# Altium PCB VESC_DEVICE_75100.PcbDoc (part 1 of 3)
Units mm, origin at the board's own origin, x right, y up, seen from the top; angles counter-clockwise.
Board outline 72 x 52 mm, 4 copper layers (TOP, LAYER_1, LAYER_2, BOTTOM), stack 1.578 mm thick; 217 components, 137 nets, 680 pads, 885 vias.
Unrouted connection lines stored in the file: 1.
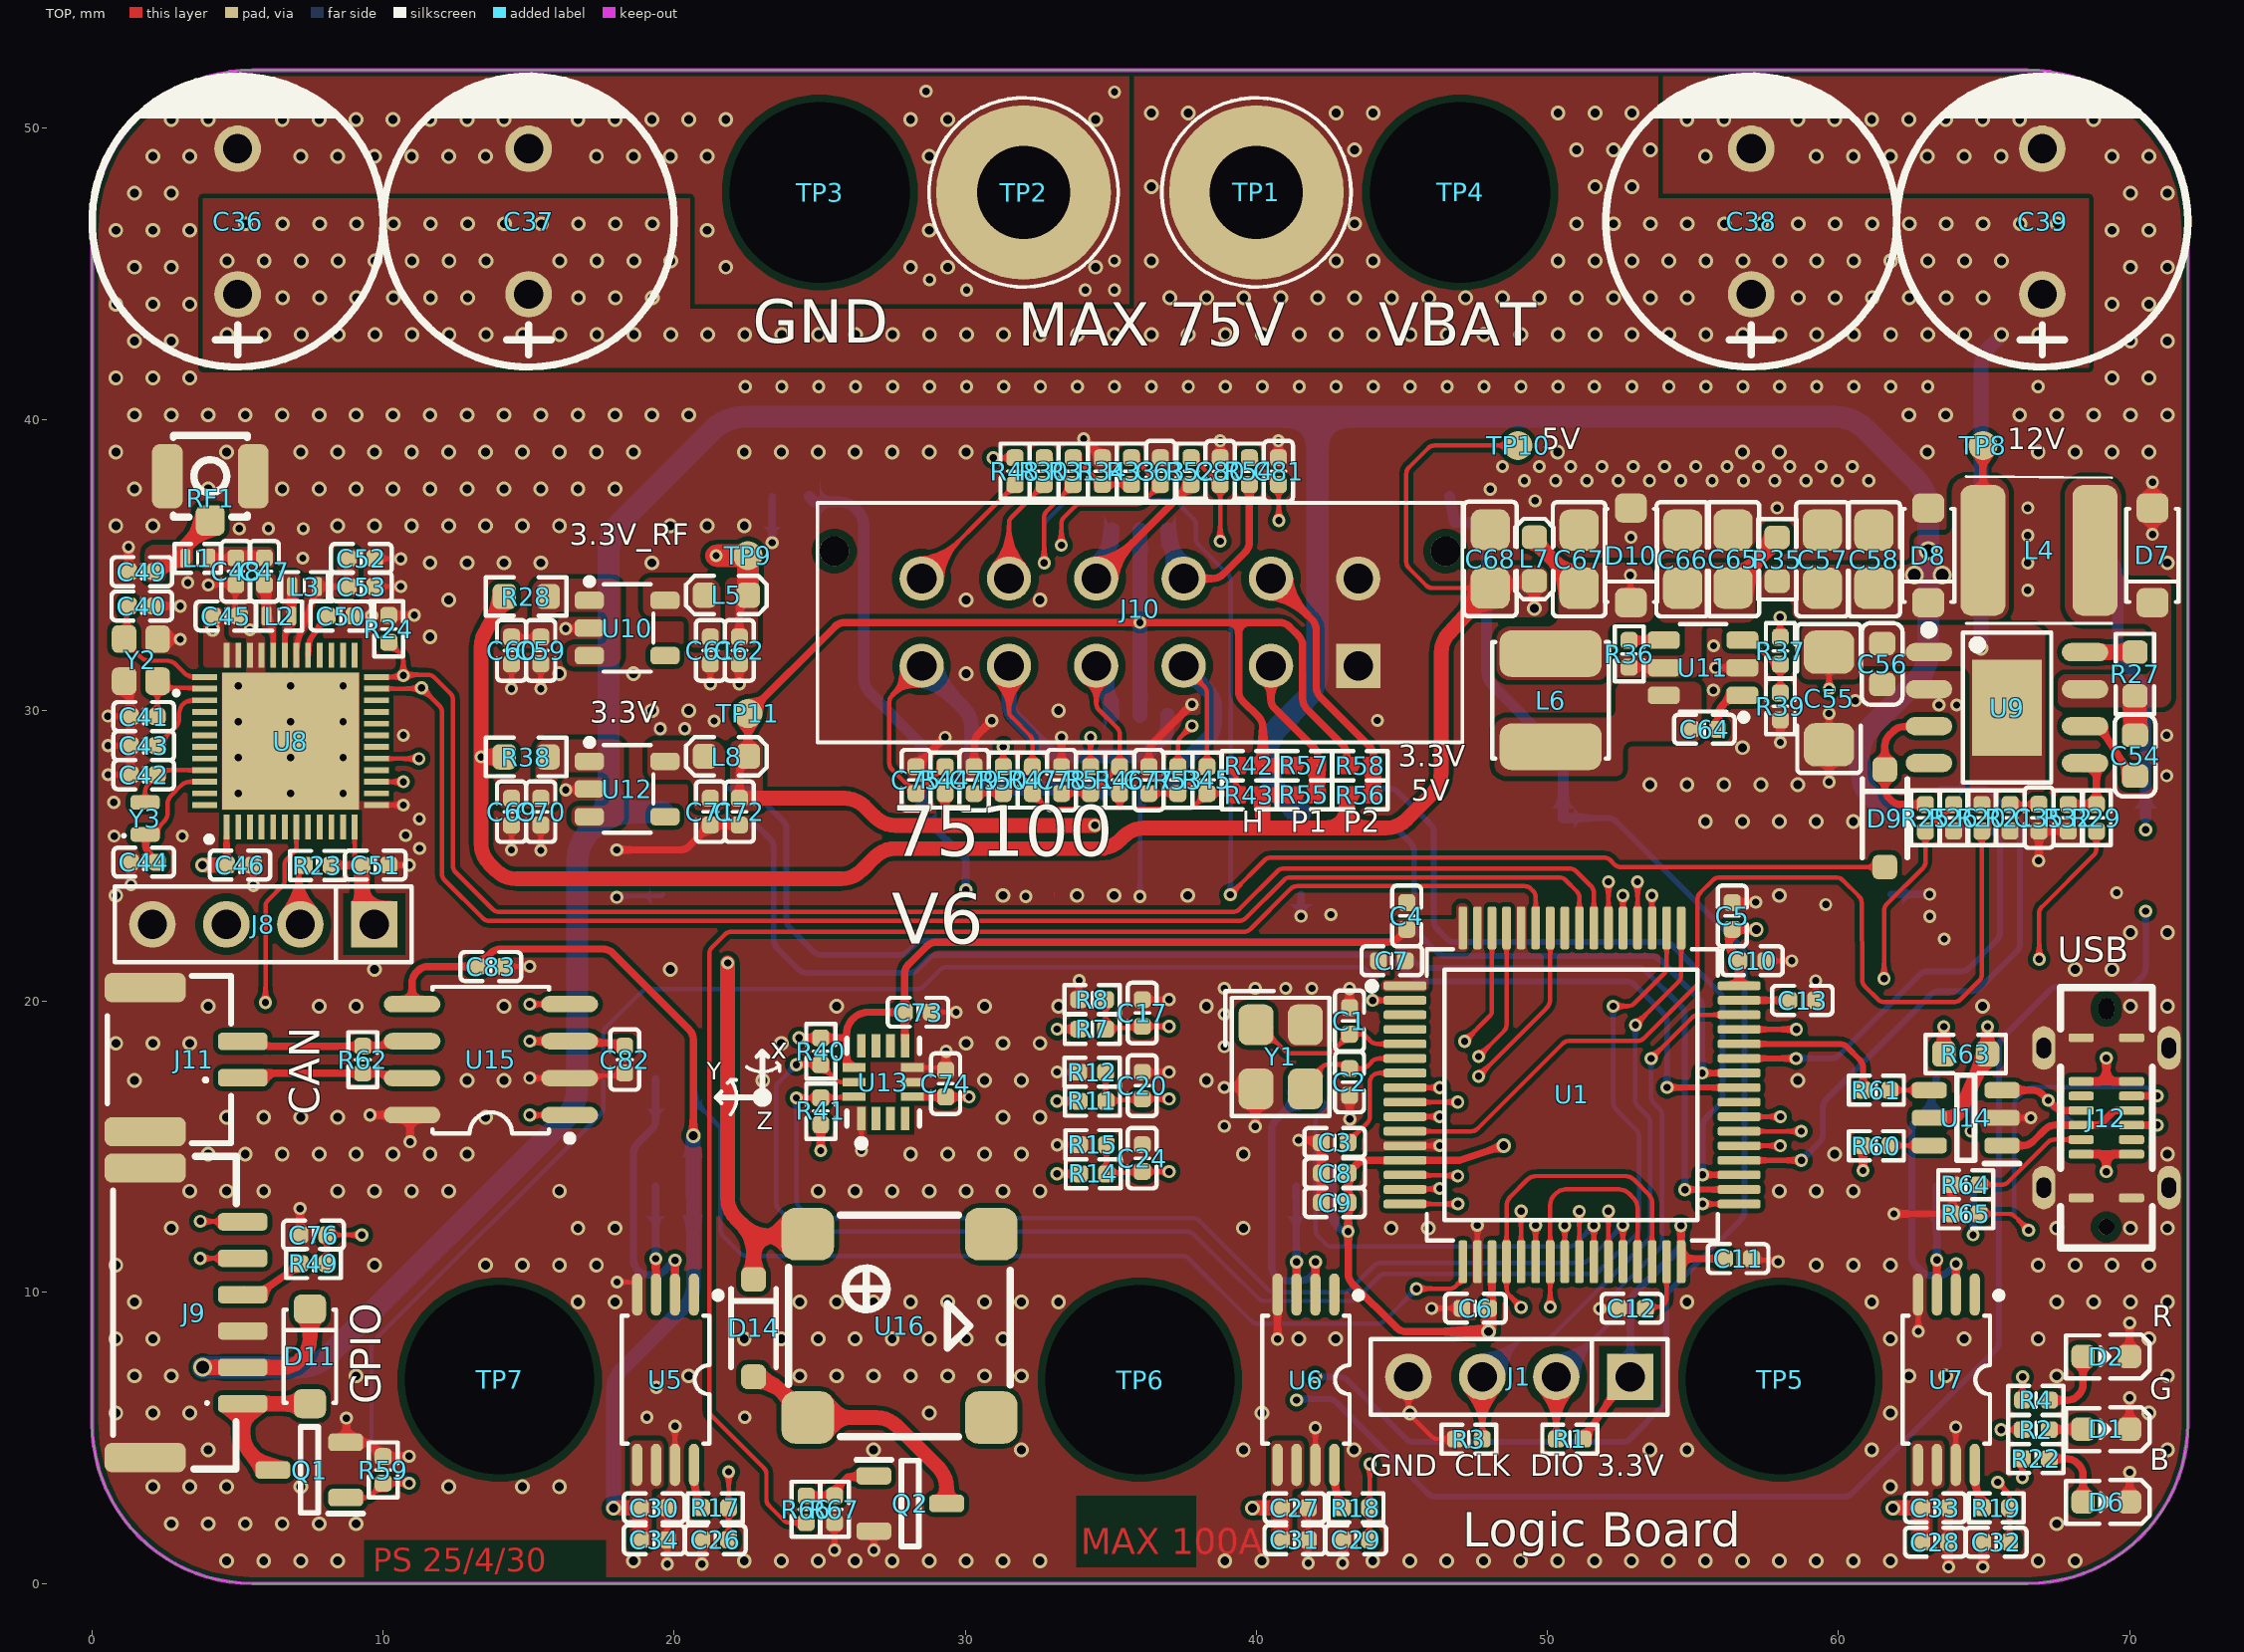
[diagram p0: TOP view]
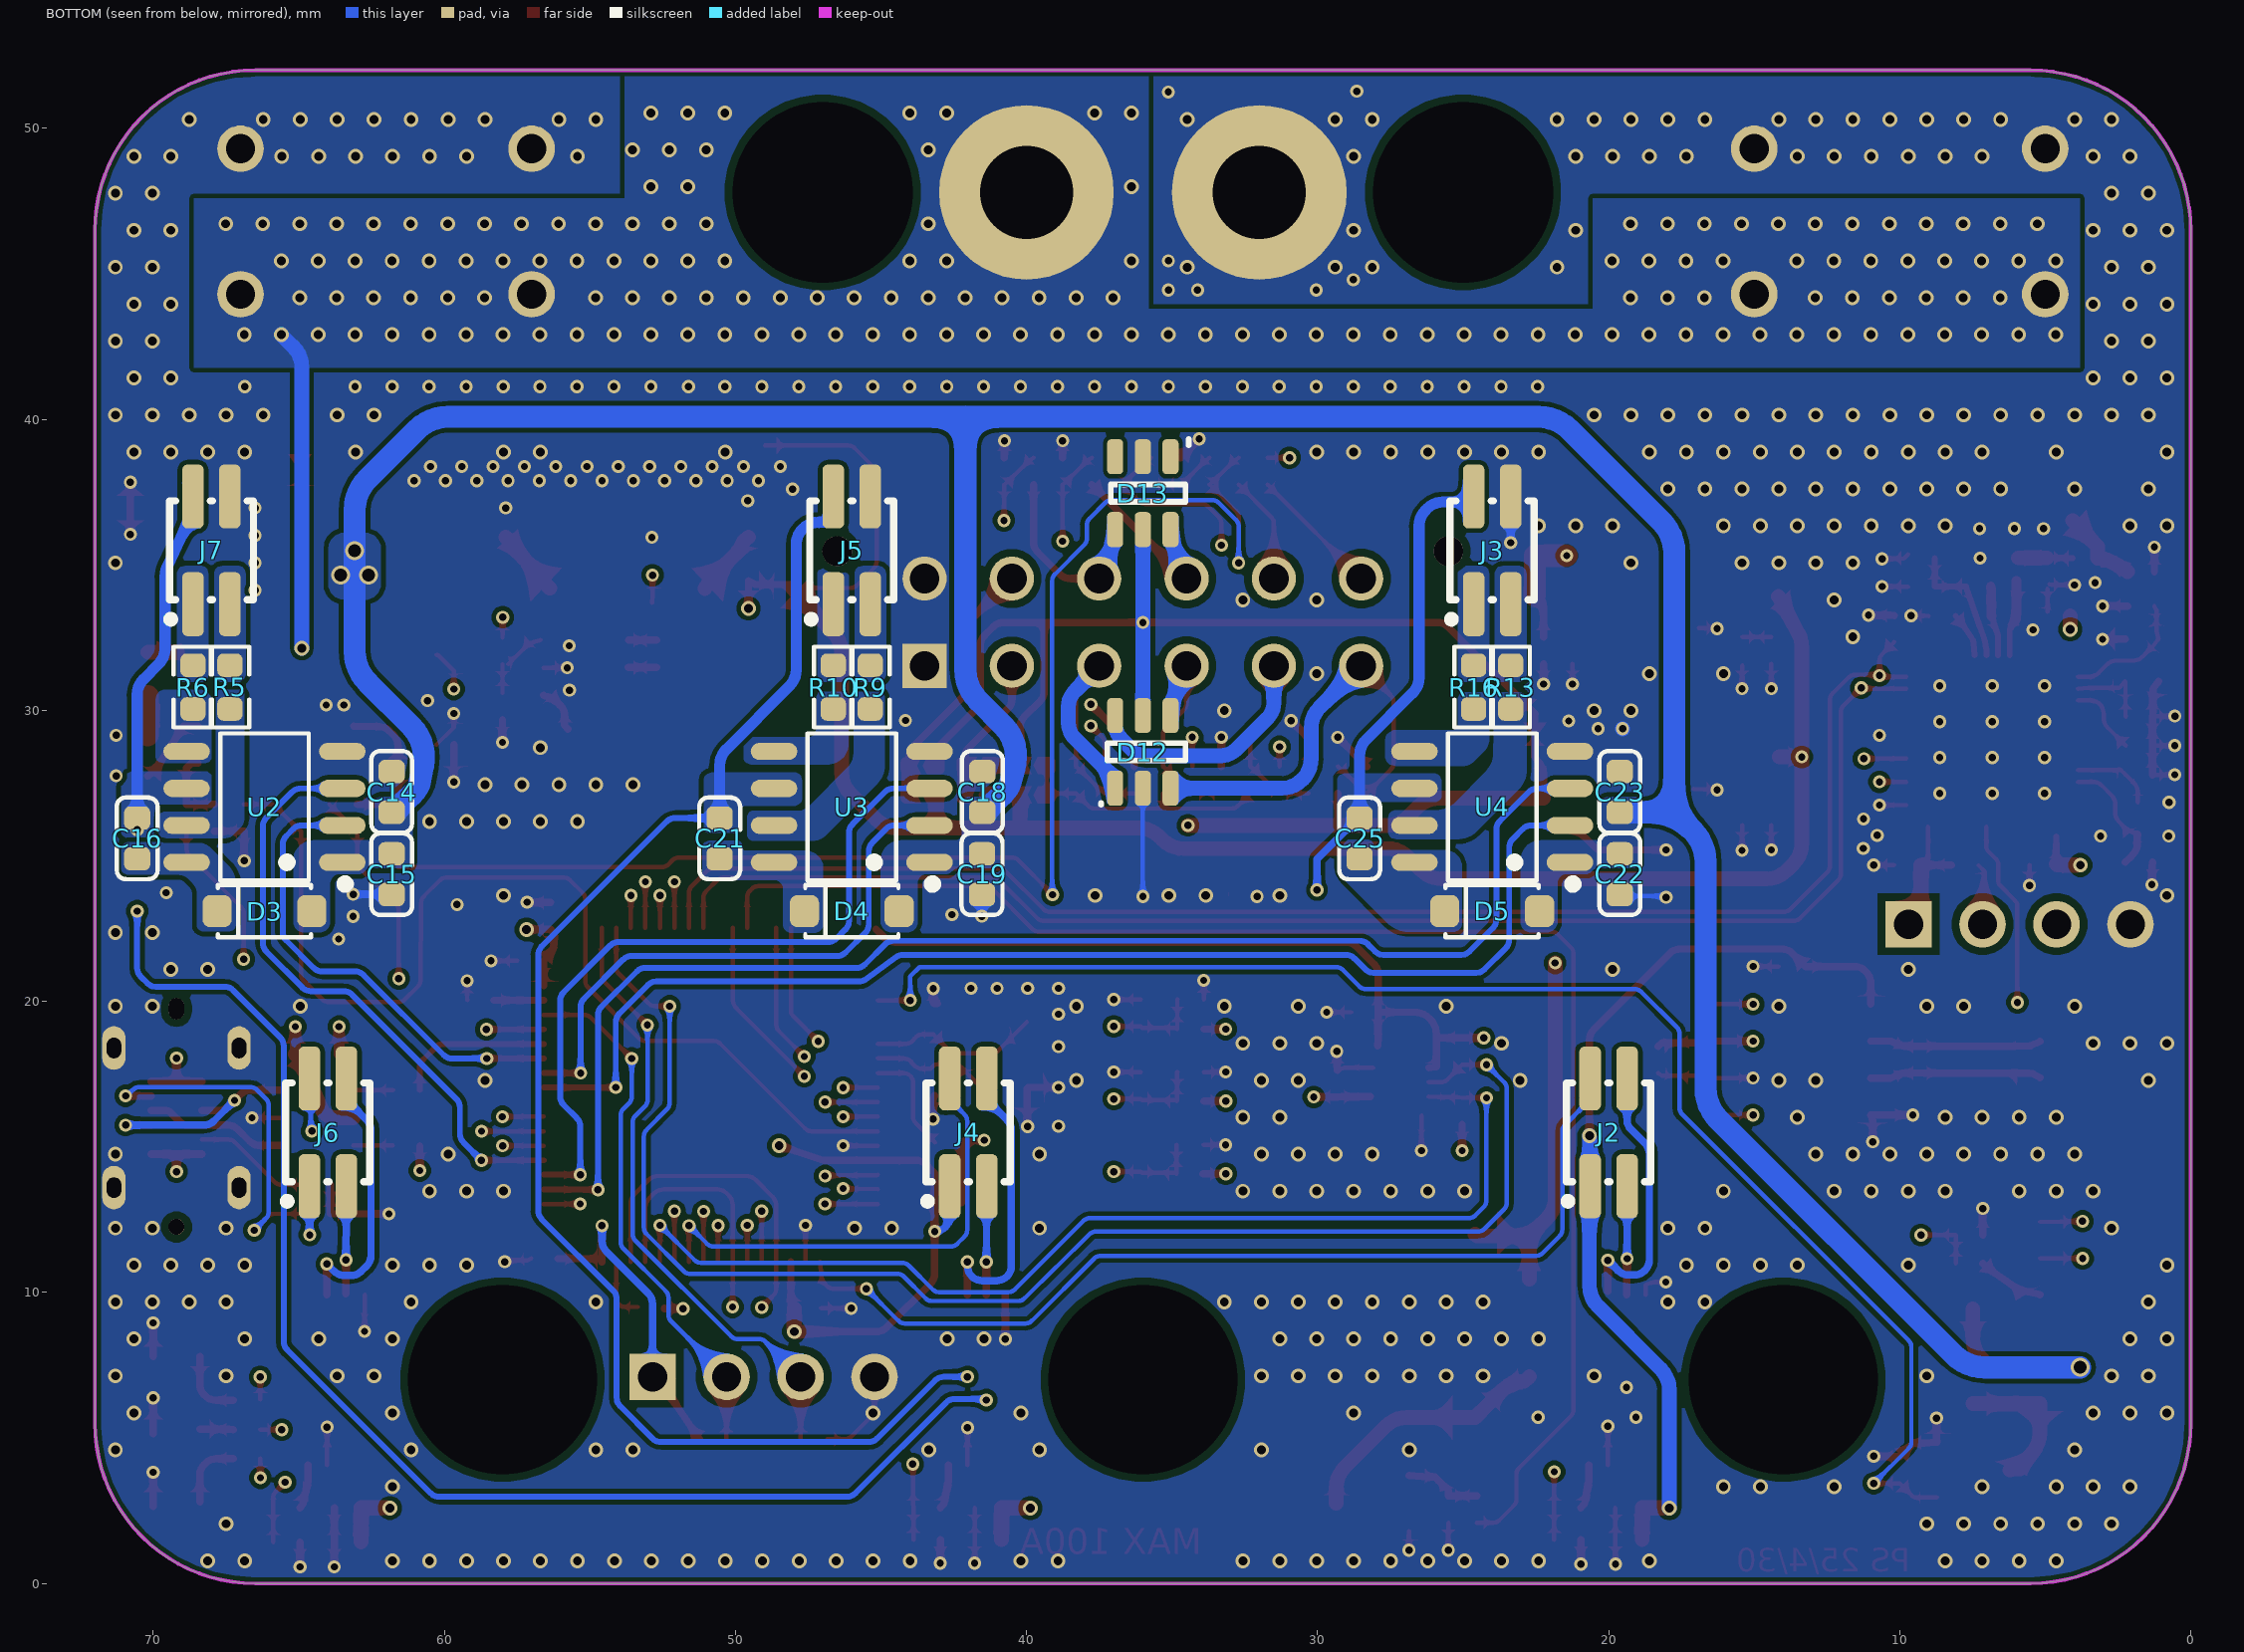
[diagram p1: BOTTOM view, seen from below]
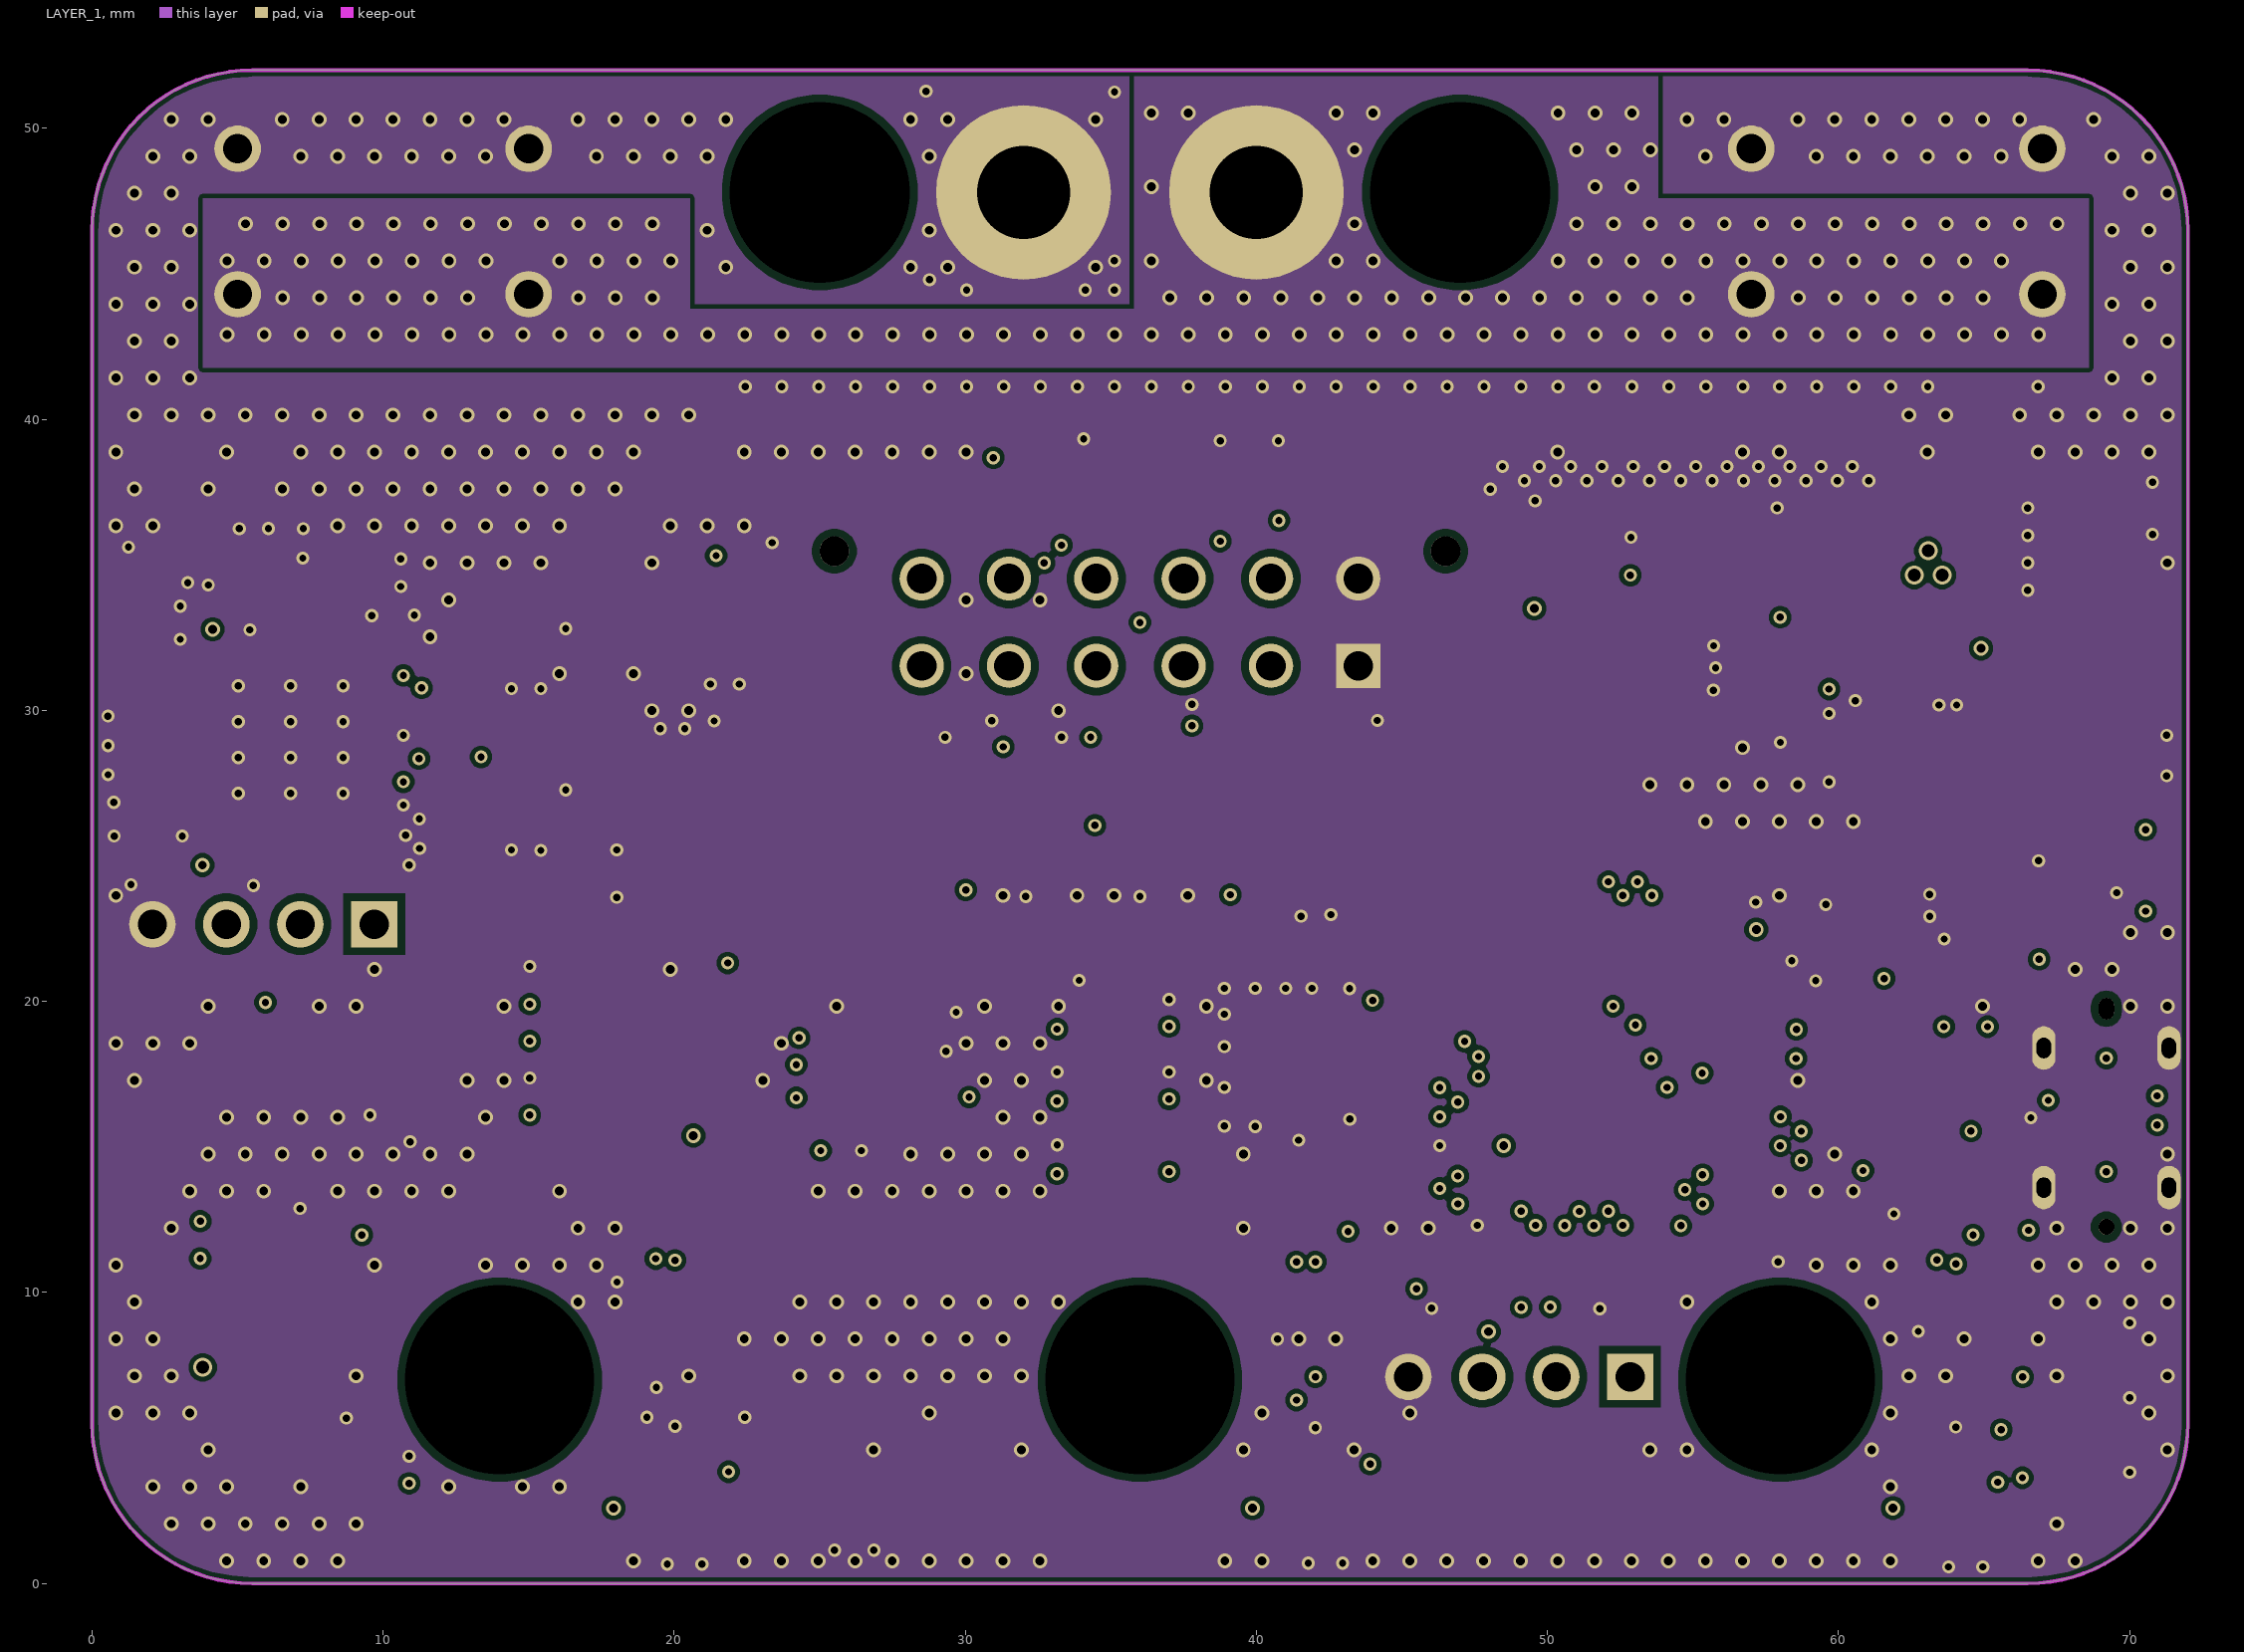
[diagram p2: LAYER_1]